# Altium PCB 191217 PCB.PcbDoc (continued)
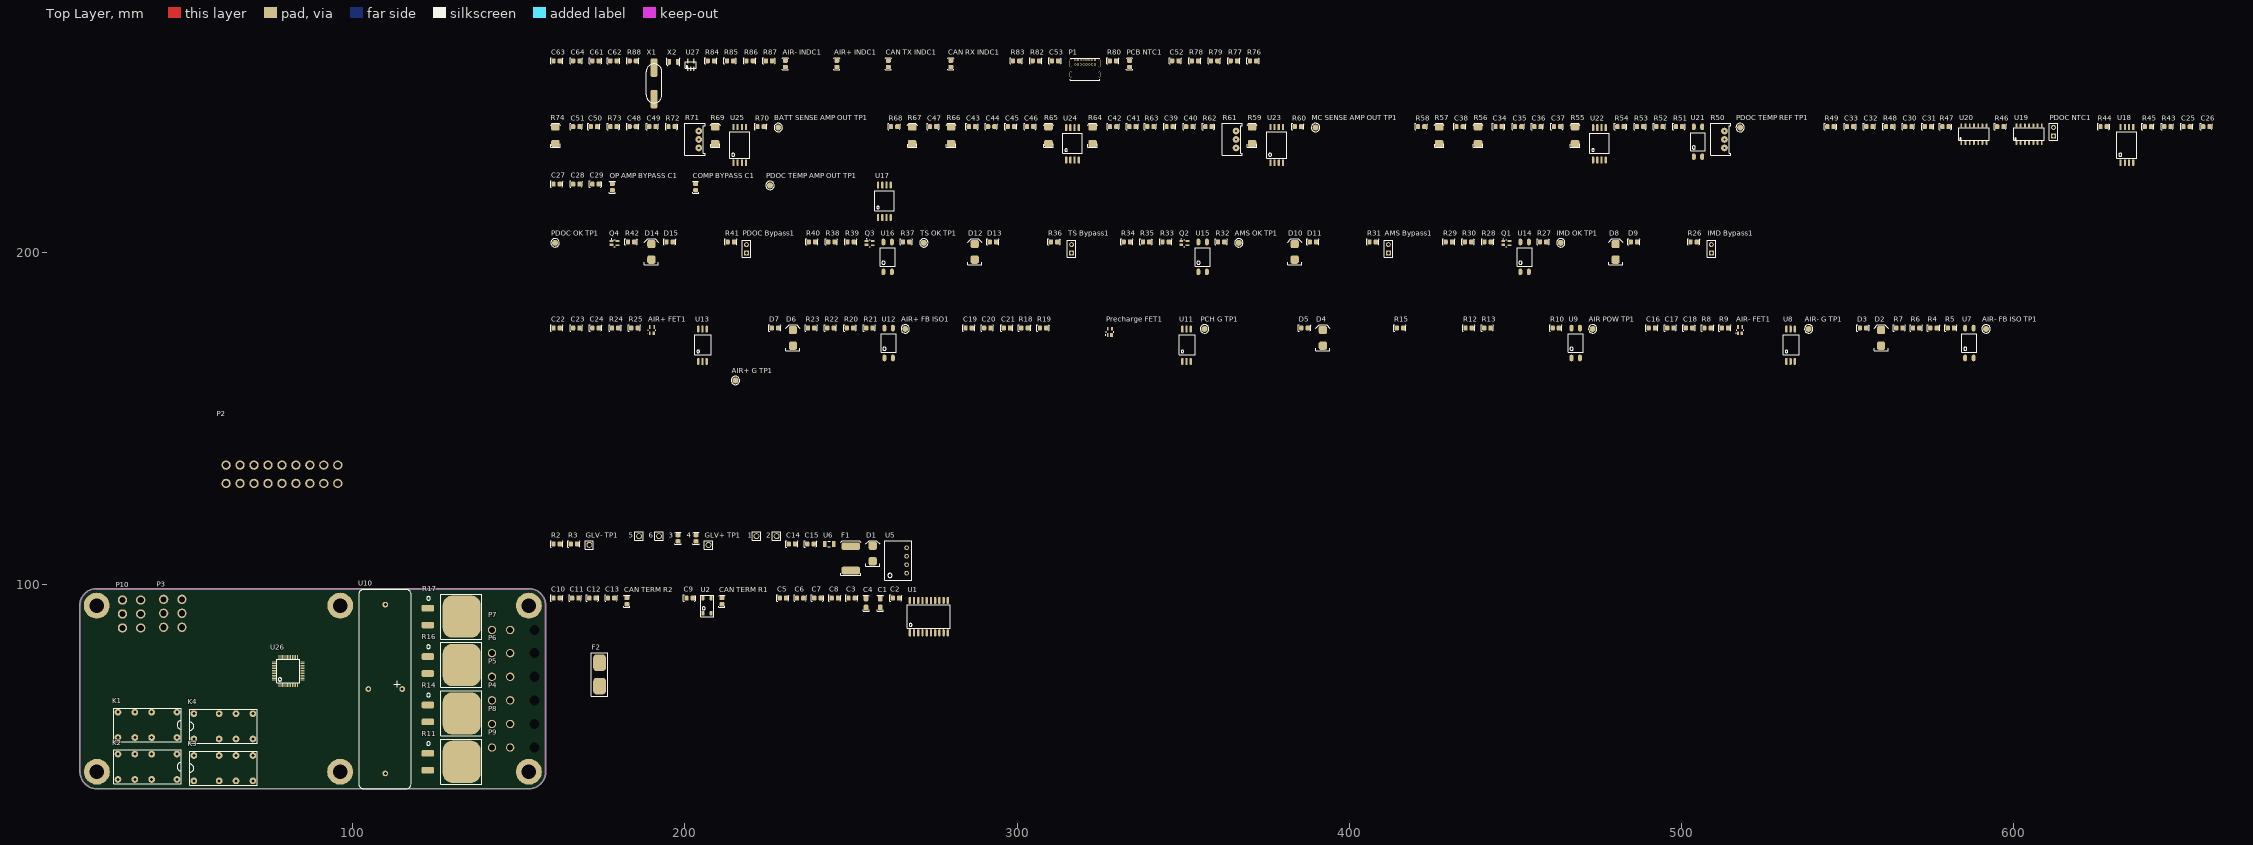
[diagram p0: Top Layer view]
## Footprints (in the part's own frame and the unit in brackets; to place one, negate y for a bottom-side part, rotate by r counter-clockwise, add the part's x,y. Pads: shape width x height; smd on the part's side, far side on the other; paste and mask are expansions set on the pad) (continued)
  silkscreen extent -30,-7.75 30,8, body extent -29.97,-7.87 30.03,7.93, height 18.4
"EPSON 2-SMD" [mm]
  rrect50% 1x1.8 smd: 1(-1.25,0) 2(1.25,0)
  silkscreen extent -2,-1.2 2,1.2, body extent -1.5,-1 1.5,1, height 1
INDC3216 [mm] "Chip Inductor, Body 3.2x1.6mm, IPC High Density"
  rect 1.1x1.8 smd: 1(-1.35,0) 2(1.35,0)
  silkscreen extent -0.4,-0.8 0.4,0.8, body extent -1.7,-0.9 1.7,0.9, height 0.55
"Omni BLOK 0154" [mm]
  rrect50% 5x3.81 smd: 1(3.5,0) 2(-3.5,0)
  rect 0x0 hole 1.4 square unplated: 3(0,0)
  silkscreen extent -6.5,-2.5 6.5,2.5, body extent -4.93,-2.52 4.9,2.51, height 3.81
"ON 4-SMD" [mm] "SOP, 4-Leads, Body 3.85x4.4mm, Pitch 2.54mm, IPC Medium Density"
  oval 2x1.2 smd: 1(-4.75,1.27) 2(-4.75,-1.27) 3(4.25,-1.27) 4(4.25,1.27)
  silkscreen extent -3,-2.25 2.5,2.25, body extent -5.33,-2.3 4.83,2.3, height 4.6
"RECOM 4-SIP" [mil]
  round 55 hole 30: 1(-150,0) 2(-50,0) 3(50,0) 4(150,0)
  silkscreen extent -236,-59 236,256, body extent -225,-51 227,249, height 122
"RICHTEK SOT-23-5" [mil]
  rrect50% 19x58 smd: 1(-39.37,-39.37) 2(-1.97,-39.37) 3(35.43,-39.37) 4(35.43,53.63) 5(-39.37,53.63)
  silkscreen extent -69,-31 64,46, body extent -62,-51 58,67, height 57
"SMB Diode" [mm]
  rrect50% 2.5x2.5 smd: A(-0.25,0) K(4.45,0)
  silkscreen extent -1.75,-2.1 6,2.1, body extent -0.69,-1.97 4.9,1.97, height 2.5
"SMD Test Point" [mm]
  round 1.8 smd: 1(0,0)
  silkscreen extent -1.27,-1.27 1.27,1.27
SOT-343_N [mm] "SOT343, 4-Leads, Body 2x1.3 mm, Pitch 1.3mm, Lead Span 2.1mm, IPC Medium Density"
  rect 1.15x0.5 smd: 1(-0.925,0.65) 3(0.925,-0.65) 4(0.925,0.65)
  rect 1.15x0.8 smd: 2(-0.925,-0.5)
  silkscreen extent -0.97,-1.1 0.2,1.35, body extent -0.7,-1.1 0.7,1.1, height 1
"STM 48-LQFP" [mm]
  rrect50% 0.3x1.2 smd: 1(-2.75,-4.25) 2(-2.25,-4.25) 3(-1.75,-4.25) 4(-1.25,-4.25) 5(-0.75,-4.25) 6(-0.25,-4.25) 7(0.25,-4.25) 8(0.75,-4.25) 9(1.25,-4.25) 10(1.75,-4.25) 11(2.25,-4.25) 12(2.75,-4.25) 25(2.75,4.25) 26(2.25,4.25) 27(1.75,4.25) 28(1.25,4.25) 29(0.75,4.25) 30(0.25,4.25) 31(-0.25,4.25) 32(-0.75,4.25) 33(-1.25,4.25) 34(-1.75,4.25) 35(-2.25,4.25) 36(-2.75,4.25)
  rrect50% 1.2x0.3 smd: 13(4.25,-2.75) 14(4.25,-2.25) 15(4.25,-1.75) 16(4.25,-1.25) 17(4.25,-0.75) 18(4.25,-0.25) 19(4.25,0.25) 20(4.25,0.75) 21(4.25,1.25) 22(4.25,1.75) 23(4.25,2.25) 24(4.25,2.75) 37(-4.25,2.75) 38(-4.25,2.25) 39(-4.25,1.75) 40(-4.25,1.25) 41(-4.25,0.75) 42(-4.25,0.25) 43(-4.25,-0.25) 44(-4.25,-0.75) 45(-4.25,-1.25) 46(-4.25,-1.75) 47(-4.25,-2.25) 48(-4.25,-2.75)
  silkscreen extent -3.5,-3.5 3.5,3.5, body extent -4.6,-4.6 4.6,4.6, height 1.6
"TDK 4-PC Pad" [mm]
  rrect50% 1.35x0.9 smd: 1(0,0) 2(0,-2.5) 3(4.55,-2.5) 4(4.55,0)
  silkscreen extent -1,-3.2 5.5,0.7, body extent -0.02,-2.82 4.48,0.38, height 2.8
"TH 2.54mm Header 1x2" [mm]
  rect 1.5x1.5 hole 0.9: 1(0,0)
  round 1.5 hole 0.9: 2(2.54,0)
  silkscreen extent -1.27,-1.27 3.81,1.27
"TH Test Point" [mm]
  round 1.8 hole 1.2: 1(0,0)
  silkscreen extent -1.27,-1.27 1.27,1.27
"TI 2-DIL" [mil]
  round 80 hole 35.43: 1(-350,-150) 4(-50,-150) 6(150,-150) 8(350,-150) 9(350,150) 11(150,150) 13(-50,150) 16(-350,150)
  silkscreen extent -400,-200 400,200, body extent -398,-197 398,197, height 450
"TI 14-SOIC" [mil]
  oval 22x52 smd: 1(-750,102.36) 2(-700,102.36) 3(-650,102.36) 4(-600,102.36) 5(-550,102.36) 6(-500,102.36) 7(-450,102.36) 8(-450,307.09) 9(-500,307.09) 10(-550,307.09) 11(-600,307.09) 12(-650,307.09) 13(-700,307.09) 14(-750,307.09)
  silkscreen extent -780,130 -420,280, body extent -770,86 -430,323, height 69
USB4085-GF-A [mm]
  round 0.65 hole 0.4: A1(-2.848,4.025) A4(-1.998,4.025) A5(-1.148,4.025) A6(-0.298,4.025) A7(0.552,4.025) A8(1.402,4.025) A9(2.252,4.025) A12(3.102,4.025) B1(3.102,2.675) B4(2.252,2.675) B5(1.402,2.675) B6(0.552,2.675) B7(-0.298,2.675) B8(-1.148,2.675) B9(-1.998,2.675) B12(-2.848,2.675)
  oval 0.9x2.4 hole 0.6 slot 2.1 at 90 deg: P1(-4.198,3.045) P2(4.452,3.045)
  oval 0.9x1.7 hole 0.6 slot 1.4 at 90 deg: P3(4.452,-0.335) P4(-4.198,-0.335)
  silkscreen extent -4.35,-2.07 4.6,4.58, body extent -4.39,-4.56 4.64,4.61, height 3.46
"VB 0207" [mm]
  rrect50% 2.1x2.6 smd: 1(0,0) 2(4.9,0)
  silkscreen extent -1.15,-1.45 6.05,1.45, body extent -0.45,-1.1 5.35,1.1, height 2.19

## Part data
1 2 5 6 "GLV+ TP1" "GLV- TP1": library part "TH Test Point", Angle=0, Contact=NA, Flange=No, Part Number="TH Test Point", Pitch=0mm, Positions=1, Row Spacing=0mm
3 4: library part SML-210LTT86, "Red LED Indication - Discrete 1.75V 0805 (2012 Metric)", Digikey Part Number=511-1286-1-ND, Manufacturer="ROHM Semiconductor", Colour=Red, Digikey Link=https://www.digikey.com/product-detail/en/rohm-semiconductor/SML-210LTT86/511-1286-1-ND/637099, Part Number=SML-210LTT86
"AIR POW TP1" "AIR+ FB ISO1" "AIR+ G TP1" "AIR- FB ISO TP1" "AIR- G TP1" "AMS OK TP1" "BATT SENSE AMP OUT TP1" "IMD OK TP1" "MC SENSE AMP OUT TP1" "PCH G TP1" "PDOC OK TP1" "PDOC TEMP AMP OUT TP1" "PDOC TEMP REF TP1" "TS OK TP1": library part "SMD Test Point", Angle=0, Contact=NA, Flange=No, Part Number="SMD Test Point", Pitch=0mm, Positions=1, Row Spacing=0
"AIR+ FET1" "AIR- FET1" "Precharge FET1": "N-Channel 100V 60A (Tc) 125W (Tc) Surface Mount DPAK", Digikey Part Number=497-8806-2-ND, Manufacturer=STMicroelectronics, Digikey Link=https://www.digikey.com/product-detail/en/stmicroelectronics/STD70N10F4/497-8806-2-ND/2035599, LatestRevisionDate=29-May-2009, LatestRevisionNote="IPC-7351 Footprint Added.", PackageDescription="4-Pin SOT-343 Package 1.3 mm Pitch, 2.1 mm Lead Span", PackageReference=SOT-343, PackageVersion=Sep-2000, Part Number=STD70N10F4, Published=24-Mar-1999, Publisher="Altium Limited"
"AIR+ INDC1" "AIR- INDC1": library part SML-211YTT86, "Yellow LED Indication - Discrete 1.75V 0805 (2012 Metric)", Digikey Part Number=511-1293-1-ND, Manufacturer="ROHM Semiconductor", Colour=Yellow, Digikey Link=https://www.digikey.com/product-detail/en/rohm-semiconductor/SML-211YTT86/511-1293-1-ND/637106, Part Number=SML-211YTT86
"AMS Bypass1" "IMD Bypass1" "PDOC Bypass1" "PDOC NTC1" "TS Bypass1": library part "TH 2.54mm Header 1x2", Angle=0, Contact=NA, Flange=No, Part Number="TH 2.54mm Header 1x2", Pitch=2.54mm, Positions=2, Row Spacing=2.54mm
C1 C4: library part GCM3195C2A103JA16D, Digikey Part Number=490-4978-2-ND, Manufacturer=muRata, Rated Voltage=100V, Tolerance=5%, Material=Ceramic, Part Number=GCM3195C2A103JA16D
C2 C3 C6 C8 C16 C17 C19 C20 C22 C23 C26 C28 C30 C31 C33 C35 C37 C39 C40 C42 C44 C46 C48 C49 C51 C52 C53 "COMP BYPASS C1" "OP AMP BYPASS C1": library part GCM21BR71E104KA37L, Manufacturer=muRata, Rated Voltage=25V, Tolerance=10%, Material=X7R, Part Number=GCM21BR71E104KA37L
C5 C7 C14 C25 C27 C34 C36 C43 C45: library part GRM21BR6YA106KE43L, Digikey Part Number=490-10514-6-ND, Manufacturer=muRata, Rated Voltage=50V, Tolerance=10%, Material=X5R, Part Number=GRM21BR6YA106KE43L
C9 C61 C62 C63 C64: library part GCM21B5C1H220JA37L, Manufacturer=muRata, Rated Voltage=50V, Tolerance=5%, Material=C0G, Part Number=GCM21B5C1H220JA37L
C10 C11 C12 C13 C29 C32 C38 C41 C47 C50: library part GCM21B5C1H101JA37L, Manufacturer=muRata, Rated Voltage=50V, Tolerance=5%, Material=C0G, Part Number=GCM21B5C1H101JA37L
C15: library part GRM21BR61A226ME51L, Digikey Part Number=490-10511-1-ND, Manufacturer=muRata, Rated Voltage=10V, Tolerance=20%, Material=X5R, Part Number=GRM21BR61A226ME51L
C18 C21 C24: library part GCM21BR61A106KA37L, Manufacturer=muRata, Rated Voltage=10V, Tolerance=10%, Material=X5R, Part Number=GCM21BR61A106KA37L
"CAN RX INDC1" "CAN TX INDC1": library part SML-MN2BCTT86C, "LED BLUE CLEAR 2012 SMD", Digikey Part Number=846-1207-1-ND, Manufacturer="ROHM Semiconductor", Colour=Blue, Digikey Link=https://www.digikey.com/product-detail/en/rohm-semiconductor/SMLMN2BCTT86C/846-1207-1-ND/6057239, Part Number=SML-MN2BCTT86C
"CAN TERM R1" "CAN TERM R2": library part RC0805FR0756RL, Manufacturer=YAGEO, Rated Voltage=0.125W, Tolerance=0.01, Material=FR-07, Part Number=RC0805FR0756RL
D1 D2 D4 D6 D8 D10 D12 D14: "1.2V_F 600V 5A SMB", Digikey Part Number=1655-1530-2-ND, Manufacturer="SMC Diode Solutions", Digikey Link=https://www.digikey.com/product-detail/en/smc-diode-solutions/SD560BTR/1655-1530-2-ND/6022620, Part Number=SD560BTR
D3 D5 D7: library part SML-211DTT86, "Orange LED Indication - Discrete 1.75V 0805 (2012 Metric)", Digikey Part Number=511-1291-1-ND, Manufacturer="ROHM Semiconductor", Colour=Orange, Digikey Link=https://www.digikey.com/product-detail/en/rohm-semiconductor/SML-211DTT86/511-1291-1-ND/637104, Part Number=SML-211DTT86
D9 D11 D13 D15: library part SML-210FTT86, "Green LED Indication - Discrete 1.75V 0805 (2012 Metric)", Digikey Part Number=511-1285-1-ND, Manufacturer="ROHM Semiconductor", Colour=Green, Digikey Link=https://www.digikey.com/product-detail/en/rohm-semiconductor/SML-210FTT86/511-1285-1-ND/637098, Part Number=SML-210FTT86
F1: "SMD 24V 2A Fuse", Digikey Part Number=507-1749-2-ND, Manufacturer="Bel Fuse Inc", Digikey Link=https://www.digikey.com/product-detail/en/bel-fuse-inc/0ZCF0200AF2C/507-1749-2-ND/4156090, Part Number=0ZCF0200AF2C
F2: "FUSE BOARD MNT 750MA 125VAC/VDC", Digikey Part Number=F1221CT-ND, Manufacturer="LittelFuse Inc", Digikey Link=https://www.digikey.com/product-detail/en/littelfuse-inc/0154.750DR/F1221CT-ND/183370, Part Number=0154.750DR
K1 K2 K3 K4: "5V DPDT Relay 3A 220VDC", Digikey Part Number=PB383-ND, Manufacturer=Axicom, Digikey Link=https://www.digikey.com/products/en?mpart=V23105A5001A201&v=41, Part Number=V23105A5475A201
P1: "USB - C (Type - C) USB 2.0 Receptacle Connector 16 Position Through Hole, Right Angle", Digikey Part Number=2073-USB4085-GF-ACT-ND, Angle=90, Digikey Link=https://www.digikey.ee/product-detail/en/gct/USB4085-GF-A/2073-USB4085-GF-ACT-ND/9859733, Part Number=USB4085-GF-A
P2: library part 39301182, Digikey Part Number=WM21371-ND, Angle=90, Contact=Gold, Digikey Link=https://www.digikey.com/product-detail/en/molex/0039301182/WM21371-ND/930340, Flange=No, Part Number=39301182, Pitch=4.20mm, Positions=18, Row Spacing=4.2mm
P3 P10: "Mini-Fit VERT 3x2", Digikey Part Number=WM3802-ND, Angle=0, Contact=Gold, Digikey Link=https://www.digikey.com/product-detail/en/molex/0039281063/WM3802-ND/61404, Flange=No, Part Number=39281063, Pitch=4.20mm, Positions=6, Row Spacing=4.2mm
P4 P5 P6 P7 P8 P9: Digikey Part Number=WM21363-ND, Angle=90, Contact=Gold, Digikey Link=https://www.digikey.com/product-detail/en/molex/0039301022/WM21363-ND/930332, Flange=No, Part Number=39301022, Pitch=4.20mm, Positions=2, Row Spacing=4.2mm
"PCB NTC1": library part NTCS0805E3103FLT, Digikey Part Number=BC2733CT-ND, Manufacturer="Vishay Beyschlag", Rated Voltage=210mW, Tolerance=0.01, Part Number=NTCS0805E3103FLT
Q1 Q2 Q3 Q4: "60V 380mA, NFET MOSTFET (Small Signal)", Digikey Part Number=2N7002KCT-ND, Manufacturer="ON Semiconductor", Digikey Link=https://www.digikey.com/product-detail/en/on-semiconductor/2N7002K/2N7002KCT-ND/2060375, LatestRevisionDate=29-May-2009, LatestRevisionNote="IPC-7351 Footprint Added.", PackageDescription="4-Pin SOT-343 Package 1.3 mm Pitch, 2.1 mm Lead Span", PackageReference=SOT-343, PackageVersion=Sep-2000, Part Number=2N7002K, Published=24-Mar-1999, Publisher="Altium Limited", Qty=30
R2 R3 R5 R6 R13 R15 R21 R22 R26 R30 R31 R35 R36 R41 R51: library part RC0805FR071K5L, Manufacturer=YAGEO, Rated Voltage=0.125W, Tolerance=0.01, Material=FR-07, Part Number=RC0805FR071K5L
R4 R10 R20 R27 R28 R32 R33 R37 R38 R39 R42 R52 R84 R85 R86 R87: library part RC0805FR07680RL, Manufacturer=YAGEO, Rated Voltage=0.125W, Tolerance=0.01, Material=FR-07, Part Number=RC0805FR07680RL
R7 R8 R9 R12 R18 R19 R23 R24 R25 R29 R34 R40: library part RC0805FR0720KL, Manufacturer=YAGEO, Rated Voltage=0.125W, Tolerance=0.01, Material=FR-07, Part Number=RC0805FR0720KL
R11 R14 R16 R17: library part PWR263S-35-1001J, Digikey Part Number=PWR263S-35-1001J-ND, Manufacturer="Bournes Inc", Rated Voltage=35W, Tolerance=0.05, Part Number=PWR263S-35-1001J
R43 R45 R47 R48 R49 R54 R58 R60 R62 R63 R68 R70 R72 R73 R76 R77 R80: library part RC0805FR0710KL, Manufacturer=YAGEO, Rated Voltage=0.125W, Tolerance=0.01, Material=FR-07, Part Number=RC0805FR0710KL
R44: library part RC0805FR072KL, Manufacturer=YAGEO, Rated Voltage=0.125W, Tolerance=0.01, Material=FR-07, Part Number=RC0805FR072KL
R46: library part RC0805FR073KL, Manufacturer=YAGEO, Rated Voltage=0.125W, Tolerance=0.01, Material=FR-07, Part Number=RC0805FR073KL
R50 R61 R71: library part 3296W-1-103LF, Digikey Part Number=3296W-103LF-ND, Manufacturer="Bournes Inc", Rated Voltage=0.5W, Tolerance=0.1, Part Number=3296W-1-103LF
R53: library part RC0805FR072K2L, Manufacturer=YAGEO, Rated Voltage=0.125W, Tolerance=0.01, Material=FR-07, Part Number=RC0805FR072K2L
R55 R56 R57 R59 R65 R66 R67 R69: library part MMB02070C3303FB200, Digikey Part Number=MMB-330KBCT-ND, Manufacturer="Vishay Beyschlag", Rated Voltage=1W, Tolerance=0.01, Part Number=MMB02070C3303FB200
R64 R74: library part MMB02070C1002FB200, Digikey Part Number=MMB-10KBCT-ND, Manufacturer="Vishay Beyschlag", Rated Voltage=1W, Tolerance=0.01, Part Number=MMB02070C1002FB200
R78 R79: library part RC0805FR07510RL, Manufacturer=YAGEO, Rated Voltage=0.125W, Tolerance=0.01, Material=FR-07, Part Number=RC0805FR07510RL
R82 R83: library part RC0805FR075K1L, Manufacturer=YAGEO, Rated Voltage=0.125W, Tolerance=0.01, Material=FR-07, Part Number=RC0805FR075K1L
R88: library part RC0805FR0710ML, Manufacturer=YAGEO, Rated Voltage=0.125W, Tolerance=0.01, Material=FR-07, Part Number=RC0805FR0710ML
U1: "Isolated CAN Transceiver", Digikey Part Number=ADM3053BRWZ-ND, Manufacturer="Analogue Devices", Digikey Link=https://www.digikey.com/product-detail/en/analog-devices-inc/ADM3053BRWZ/ADM3053BRWZ-ND/2709332, Part Number=ADM3053
U2: "Common mode choke intended for CANBUS 150mA 50V)", Digikey Part Number=495-4598-2-ND, Manufacturer="EPCOS (TDK)", Digikey Link=https://www.digikey.com/product-detail/en/epcos-tdk/B82787C0104H002/495-4598-2-ND/3680998, Part Number=B82787C0104H002
U5: "5V DC-DC Converter (2W) (Short circuit protected)", Digikey Part Number=945-1499-5-ND, Input Voltage=4.5V, Manufacturer=Recom, Output Power=5V, Output Voltage=5.5V, Digikey Link=https://www.digikey.com/product-detail/en/recom-power/RI-0505S-P/945-1499-5-ND/2314368, Efficiency=0.83, Isolation=Isolated, Part Number=RI-0505S/P
U6: "Common Mode Choke 120UH 2.5A 2LN 460 OHM SMD", Digikey Part Number=732-1489-2-ND, Manufacturer="Wurth Electronics Inc", Digikey Link=https://www.digikey.com/product-detail/en/wurth-electronics-inc/744272121/732-1489-2-ND/1638893, Part Number=744272121
U7 U9 U12 U14 U15 U16 U21: "35V 50ma Optocoupler (VF=1.2V)", Digikey Part Number=160-1893-2-ND, Manufacturer="Lite-On Inc", Digikey Link=https://www.digikey.com/product-detail/en/lite-on-inc/LTV-817S-TA1/160-1893-2-ND/388451, Part Number=LTV-817S-TA1
U8 U11 U13: "DGTL ISO 5KV 1CH GATE DRVR 6SOIC", Digikey Part Number=ADUM4120-1ARIZ-ND, Manufacturer="Analogue Devices", Digikey Link=https://www.digikey.com/product-detail/en/analog-devices-inc/ADUM4120-1ARIZ/ADUM4120-1ARIZ-ND/7324273, Part Number=ADUM4120
U10: "RELAY REED SPST-NO 2A 12V", Digikey Part Number=725-1038-ND, Manufacturer="Cynergy 3", Digikey Link=https://www.digikey.com.au/product-detail/en/cynergy-3/DBT70510/725-1038-ND/752033, Part Number=DAT70510
U17 U22 U24: "Isolated Module DC DC Converter 1 Output 3.3V, 5V 60mA 4.5V - 5.5V Input", Digikey Part Number=ADUM6028-5BRIZ-ND, Input Voltage=4.5V-5.5V, Manufacturer="Analog Devices", Output Power=2W, Output Voltage="5V, 3.3V", Digikey Link=https://www.digikey.com/product-detail/en/analog-devices-inc/ADUM6028-5BRIZ/ADUM6028-5BRIZ-ND/9485494, Efficiency=0.33, Isolation=Isolated, Part Number=ADUM6028
U18 U23 U25: "Isolation Amplifier 1 Circuit Differential 8-SO", Digikey Part Number=516-2578-5-ND, Manufacturer="Broadcom Limited", Digikey Link=https://www.digikey.com/product-detail/en/broadcom-limited/ACPL-C870-000E/516-2578-5-ND/3523705, Part Number=ACPL-C870
U19: "IC OPAMP GP 4 CIRCUIT 14SOIC", Digikey Part Number=296-1390-5-ND, Manufacturer="Texas Instruments", Digikey Link=https://www.digikey.com/product-detail/en/texas-instruments/LM324D/296-1390-5-ND/277039, Part Number=LM324D
U20: "Comparator General Purpose Open Collector 14-SOIC", Digikey Part Number=296-6611-2-ND, Manufacturer="Texas Instruments", Digikey Link=https://www.digikey.com/product-detail/en/texas-instruments/LMV339MTX-NOPB/296-35446-1-ND/3739150, Part Number=LMV339IDR
U26: "ARM® Cortex®-M3 STM32F1 Microcontroller IC 32-Bit 72MHz 64KB (64K x 8) FLASH", Digikey Part Number=497-6063-ND, Manufacturer=STMicroelectronics, Digikey Link=https://www.digikey.com/product-detail/en/stmicroelectronics/STM32F103C8T6/497-6063-ND/1646338, Part Number=STM32F103C8T6
U27: "IC REG LINEAR 3.3V 300MA SOT23-5", Digikey Part Number=1028-1014-1-ND, Manufacturer=Richtek, Digikey Link=https://www.digikey.com/products/en?keywords=1028-1014-1-ND, Part Number=RT9193-33GB
X1: library part ABLS-8.000MHZ-B4-T, Digikey Part Number=535-10212-2-ND, Load Capacitance=18pF, Manufacturer="Abracon LLC", Digikey Link=https://www.digikey.com/product-detail/en/abracon-llc/ABLS-8.000MHZ-B4-T/535-10212-2-ND/2184155, ESR=80R, Part Number=ABLS-8.000MHZ-B4-T
X2: library part "FC-135 32.7680KA-A5", Digikey Part Number=SER4103TR-ND, Load Capacitance=12.5pF, Manufacturer=EPSON, Digikey Link=https://www.digikey.com/product-detail/en/epson/FC-135-32.7680KA-A5/SER4103TR-ND/5259895, ESR=70k, Part Number="FC-135 32.7680KA-A5"

## Free pads (board coordinates)
  round 7.8 hole 4.3: 21(23,43.71) 22(22.953,93.71) 23(96.232,43.71) 24(153.001,43.71) 25(153.001,93.71) 26(96.25,93.71)

## Nets (pads, with @x,y where several pads share a name; then routed paths per layer and width w, separated by ;. In a path a pad name is that pad's centre, name@x,y a point inside that pad or via, vN(x,y) a via of type N, cw(c..) or ccw(c..) an arc to the next point about the centre after c; other vN are vias at no path point)
0V: 5.1 C14.1 C15.1 R2.1 R53.1 U5.1 U21.2
"0V (ISO)": 6.1 "COMP BYPASS C1.1" "OP AMP BYPASS C1.1" "PCB NTC1.1" "PDOC NTC1.2" C1.1 C2.1 C7.1 C8.1 C16.1 C19.1 C22.1 C27.1 C28.1 C32.1 C33.1 C36.1 C37.1 C41.1 C42.1 C45.1 C46.1 C50.1 C51.1 C52.1 C53.1 C61.1 C62.1 C63.1 C64.1 K1.8 K2.8 K3.8 K4.8 P1.A1 P1.A12 P1.B1 P1.B12 P1.P1 R3.1 R7.1 R8.1 R12.1 R18.1 R23.1 R24.1 R29.1 R34.1 R40.1 R48.1 R50.3 R54.1 R63.1 R73.1 R78.1 R84.1 R85.1 R86.1 R87.1 U1.1 U1.3 U1.7 U1.9 U1.10 U5.3 U8.3 U11.3 U13.3 U17.1 U17.2 U17.4 U18.5 U20.12 U22.1 U22.2 U22.4 U23.5 U24.1 U24.2 U24.4 U25.5 U26.8 U26.23 U26.35 U26.47 U27.2
"3.3V (ISO)": R76.2 U26.1 U26.9 U26.24 U26.36 U26.48 U27.5
5V: 1.1 3.A C15.2 C17.2 C18.2 C20.2 C21.2 C23.2 C24.2 U5.2 U7.1 U8.6 U11.6 U12.1 U13.6 U16.1
"5V (HV Battery ISO)": C43.2 C44.2 C49.2 U24.6 U25.1
"5V (HV MC ISO)": C25.2 C26.2 C31.2 C34.2 C35.2 C40.2 R44.2 U17.6 U18.1 U22.6 U23.1
"5V (ISO)": 2.1 4.A "COMP BYPASS C1.2" "OP AMP BYPASS C1.2" C1.2 C2.2 C7.2 C8.2 C16.2 C19.2 C22.2 C27.2 C28.2 C33.2 C36.2 C37.2 C42.2 C45.2 C46.2 C51.2 C53.2 D4.K D8.K D9.A D10.K D11.A D12.K D13.A D14.K D15.A K1.16 K2.1 K3.1 K4.1 P1.A4 P1.A9 P1.B4 P1.B9 R15.2 R26.2 R31.2 R36.2 R41.2 R46.2 R49.2 R77.2 U1.6 U1.8 U5.4 U7.4 U8.1 U9.4 U10.4 U11.1 U12.4 U13.1 U14.4 U15.4 U16.4 U17.3 U18.8 U20.3 U21.4 U22.3 U23.8 U24.3 U25.8 U27.1 U27.3
"AIR Power": P2.6 P2.8 P2.14
AIR+: D6.A D7.K P2.7
"AIR+ Feedback In": P2.16 P2.18 U8.4 U13.4
"AIR+ Feedback Out": P2.15 R21.2
AIR-: D2.A D3.K P2.9
"AIR- Feedback Out": P2.17 R5.2
"AMS OK": P2.3 U15.1
BOOT0: R80.1
BOOT1: 
CANH: "CAN TERM R2.1" C10.2 P3.5 U2.1
CANL: C3.1 C4.1 C5.1 C6.1 C9.1 C10.1 C11.1 C12.1 C13.1 P3.2 U1.11 U1.13 U1.16 U1.20
CANS: P3.1 P3.4
"CHASSIS REF": P2.4 P10.3
GLV+: "GLV+ TP1.1" F2.2 P3.6 U6.1
GLV-: "GLV- TP1.1" C17.1 C18.1 C20.1 C21.1 C23.1 C24.1 P2.5 P3.3 P10.1 R9.1 R13.2 R19.1 R25.1 R30.1 R35.1 U11.4
"GLV- REF": P2.13 P10.4
"Green In": "IMD Bypass1.2" K1.11 P2.1
"Green Out": "PDOC Bypass1.1" K4.13 P2.10
"HV Battery+": P6.1 P6.2 P8.1 P8.2 R17.1 R65.2
"HV Battery-": C43.1 C44.1 C48.1 C49.1 P5.1 P5.2 P9.1 P9.2 R74.1 U24.5 U25.3 U25.4
"HV MC+": P7.1 P7.2 R11.2 R55.2
"HV MC-": C25.1 C26.1 C30.1 C31.1 C34.1 C35.1 C39.1 C40.1 P4.1 P4.2 R64.1 U17.5 U18.3 U18.4 U22.5 U23.3 U23.4
"IMD Data": P10.5
"IMD OK": P10.6 U14.1
Net3_K: 3.K R2.2
Net4_K: 4.K R3.2
"NetAIR POW TP1_1": "AIR POW TP1.1" R10.1
"NetAIR+ FET1_G": "AIR+ G TP1.1" R25.2 U13.5
"NetAIR+ INDC1_K": "AIR+ INDC1.K" R85.2
"NetAIR- FET1_G": "AIR- G TP1.1" R9.2 U8.5
"NetAIR- INDC1_K": "AIR- INDC1.K" R84.2
"NetAMS Bypass1_1": "AMS Bypass1.1" "TS Bypass1.2" K2.13 K3.11
"NetAMS Bypass1_2": "AMS Bypass1.2" "IMD Bypass1.1" K1.13 K2.11
"NetBATT SENSE AMP OUT TP1_1": "BATT SENSE AMP OUT TP1.1" C47.2 R68.2 U19.8
NetC3_2: C3.2 C4.2 C5.2 C6.2 U1.12 U1.19
NetC9_2: "CAN TERM R1.1" "CAN TERM R2.2" C9.2
NetC11_2: "CAN TERM R1.2" C11.2 U2.2
NetC12_2: C12.2 U1.15 U2.4
NetC13_2: C13.2 U1.17 U2.3
NetC14_2: C14.2 D1.K
NetC29_1: C29.1 R43.1 R45.2 U19.2
NetC29_2: "PDOC TEMP AMP OUT TP1.1" C29.2 R43.2 U19.1 U20.5
NetC30_2: "PDOC NTC1.1" C30.2 R44.1 U18.2
NetC32_2: C32.2 R47.2 R48.2 U19.3
NetC38_1: C38.1 R58.1 R60.2 U19.6
NetC38_2: "MC SENSE AMP OUT TP1.1" C38.2 R58.2 U19.7
NetC39_2: C39.2 R59.1 R61.2 R61.3 U23.2
NetC41_2: C41.2 R62.2 R63.2 U19.5
NetC47_1: C47.1 R68.1 R70.2 U19.9
NetC48_2: C48.2 R69.1 R71.2 R71.3 U25.2
NetC50_2: C50.2 R72.2 R73.2 U19.10
NetC52_2: C52.2 R76.1
NetC65_2: U27.4
"NetCAN RX INDC1_K": "CAN RX INDC1.K" R87.2
"NetCAN TX INDC1_K": "CAN TX INDC1.K" R86.2
NetD1_A: D1.A F1.2
NetD3_A: D3.A R6.1
NetD4_A: D4.A D5.K U10.3
NetD5_A: D5.A R15.1
NetD7_A: D7.A R22.1
NetD8_A: D8.A K1.1 R27.1
NetD9_K: D9.K R27.2
NetD10_A: D10.A K2.16 R32.1
NetD11_K: D11.K R32.2
NetD12_A: D12.A K3.16 R37.1
NetD13_K: D13.K R37.2
NetD14_A: D14.A K4.16 R42.1
NetD15_K: D15.K R42.2
NetD16_K: R78.2
NetD17_K: R79.2
NetF1_1: F1.1 U6.2
NetF2_1: F2.1 P10.2
NetK1_4: K1.4
NetK1_6: K1.6 R26.1
NetK2_4: K2.4
NetK2_6: K2.6 R31.1
NetK3_4: K3.4
NetK3_6: K3.6 R36.1
NetK3_13: "PDOC Bypass1.2" "TS Bypass1.1" K3.13 K4.11
NetK4_4: K4.4
NetK4_6: K4.6 R41.1
NetP1_A5: P1.A5 R82.1
NetP1_B5: P1.B5 R83.1
"NetPCH G TP1_1": "PCH G TP1.1" R19.2 U11.5
"NetPDOC OK TP1_1": "PDOC OK TP1.1"
"NetPDOC TEMP REF TP1_1": "PDOC TEMP REF TP1.1" R49.1 R50.1 R50.2 U20.4
NetR1_2: U1.18
NetR4_2: R4.2 R7.2 U7.3
NetR5_1: R5.1 U7.2
NetR10_2: R10.2 R12.2 U9.3
NetR11_1: R11.1 R14.2
NetR13_1: R13.1 U9.2
NetR14_1: R14.1 U10.1
NetR16_1: R16.1 R17.2
NetR20_2: R20.2 R23.2 U12.3
NetR21_1: R21.1 U12.2
NetR28_2: R28.2 U14.3
NetR30_2: R30.2 U14.2
NetR33_2: R33.2 U15.3
NetR35_2: R35.2 U15.2
NetR38_2: R38.2 U16.3
NetR39_1: R39.1 U16.2
NetR45_1: R45.1 U18.6
NetR47_1: R47.1 U18.7
NetR51_1: R51.1 R53.2
NetR51_2: R51.2 U21.1
NetR52_1: R52.1 R54.2 U21.3
NetR52_2: R52.2
NetR55_1: R55.1 R56.2
NetR56_1: R56.1 R57.2
NetR57_1: R57.1 R59.2
NetR60_1: R60.1 U23.6
NetR61_1: R61.1 R64.2
NetR62_1: R62.1 U23.7
NetR65_1: R65.1 R66.2
NetR66_1: R66.1 R67.2
NetR67_1: R67.1 R69.2
NetR70_1: R70.1 U25.6
NetR71_1: R71.1 R74.2
NetR72_1: R72.1 U25.7
NetR75_1: U26.20
NetR80_2: R80.2 U26.44
NRST: U26.7
PA0: U26.10
PA1: U26.11
PA2: "AIR- FB ISO TP1.1" R4.1 U26.12
PA3: "AIR+ FB ISO1.1" R20.1 U26.13
PA4: U26.14
PA5: R8.2 U8.2 U26.15
PA6: R18.2 U11.2 U26.16
PA7: R24.2 U13.2 U26.17
PA8: "CAN TX INDC1.A" U26.29
PA9: "CAN RX INDC1.A" U26.30
PA10: U26.31
PA15: U26.38
PB0: U26.18
PB1: "PCB NTC1.2" R77.1 U26.19
PB3: U26.39
PB4: U26.40
PB5: U26.41
PB6: "AIR- INDC1.A" U26.42
PB7: "AIR+ INDC1.A" U26.43
PB8: U1.4 U26.45
PB9: U1.5 U26.46
PB10: U26.21
PB11: U26.22
PB12: "IMD OK TP1.1" R28.1 R29.2 U26.25
PB13: "AMS OK TP1.1" R33.1 R34.2 U26.26
PB14: "TS OK TP1.1" R38.1 R40.2 U26.27
PB15: R46.1 U20.2 U26.28
PC13: R79.1 U26.2
SWCLK: U26.37
SWDIO: U26.34
"TS In": P2.11
"TS Out": P2.2 R39.2
USBDM: P1.A7 P1.B7 U26.32
USBDP: P1.A6 U26.33
XTALA: C63.2 R88.1 U26.5 X1.1
XTALB: C64.2 R88.2 U26.6 X1.2
XTALC: C61.2 U26.3 X2.1
XTALD: C62.2 U26.4 X2.2
pads on no net: "AIR+ FET1.1" "AIR+ FET1.2" "AIR+ FET1.3" "AIR+ FET1.4" "AIR- FET1.1" "AIR- FET1.2" "AIR- FET1.3" "AIR- FET1.4" "Precharge FET1.1" "Precharge FET1.2" "Precharge FET1.3" "Precharge FET1.4" D2.K D6.K F2.3 K1.9 K2.9 K3.9 K4.9 P1.A8 P1.B6 P1.B8 P1.P2 P1.P3 P1.P4 P2.12 P2.PEG P4. P5. P6. P7. P8. P9. Q1.1 Q1.2 Q1.3 Q1.4 Q2.1 Q2.2 Q2.3 Q2.4 Q3.1 Q3.2 Q3.3 Q3.4 Q4.1 Q4.2 Q4.3 Q4.4 R6.2 R11. R14. R16. R16.2 R17. R22.2 R82.2 R83.2 U1.2 U1.14 U9.1 U10.2 U19.4 U19.11 U19.12 U19.13 U19.14 U20.1 U20.6 U20.7 U20.8 U20.9 U20.10 U20.11 U20.13 U20.14

## Keep-outs
Keep-Out Layer:
  lines w0.254: 17.953,93.71 cw(c22.953,93.71) 22.953,98.71 153.001,98.71 cw(c153.001,93.71) 158.001,93.71 158.001,43.71 cw(c153.001,43.71) 153.001,38.71 23,38.71 cw(c23,43.71) 18,43.71 18,93.663